# Altium PCB PV Refridgerator v0.1.2.PCBDOC (part 1 of 2) (continued)
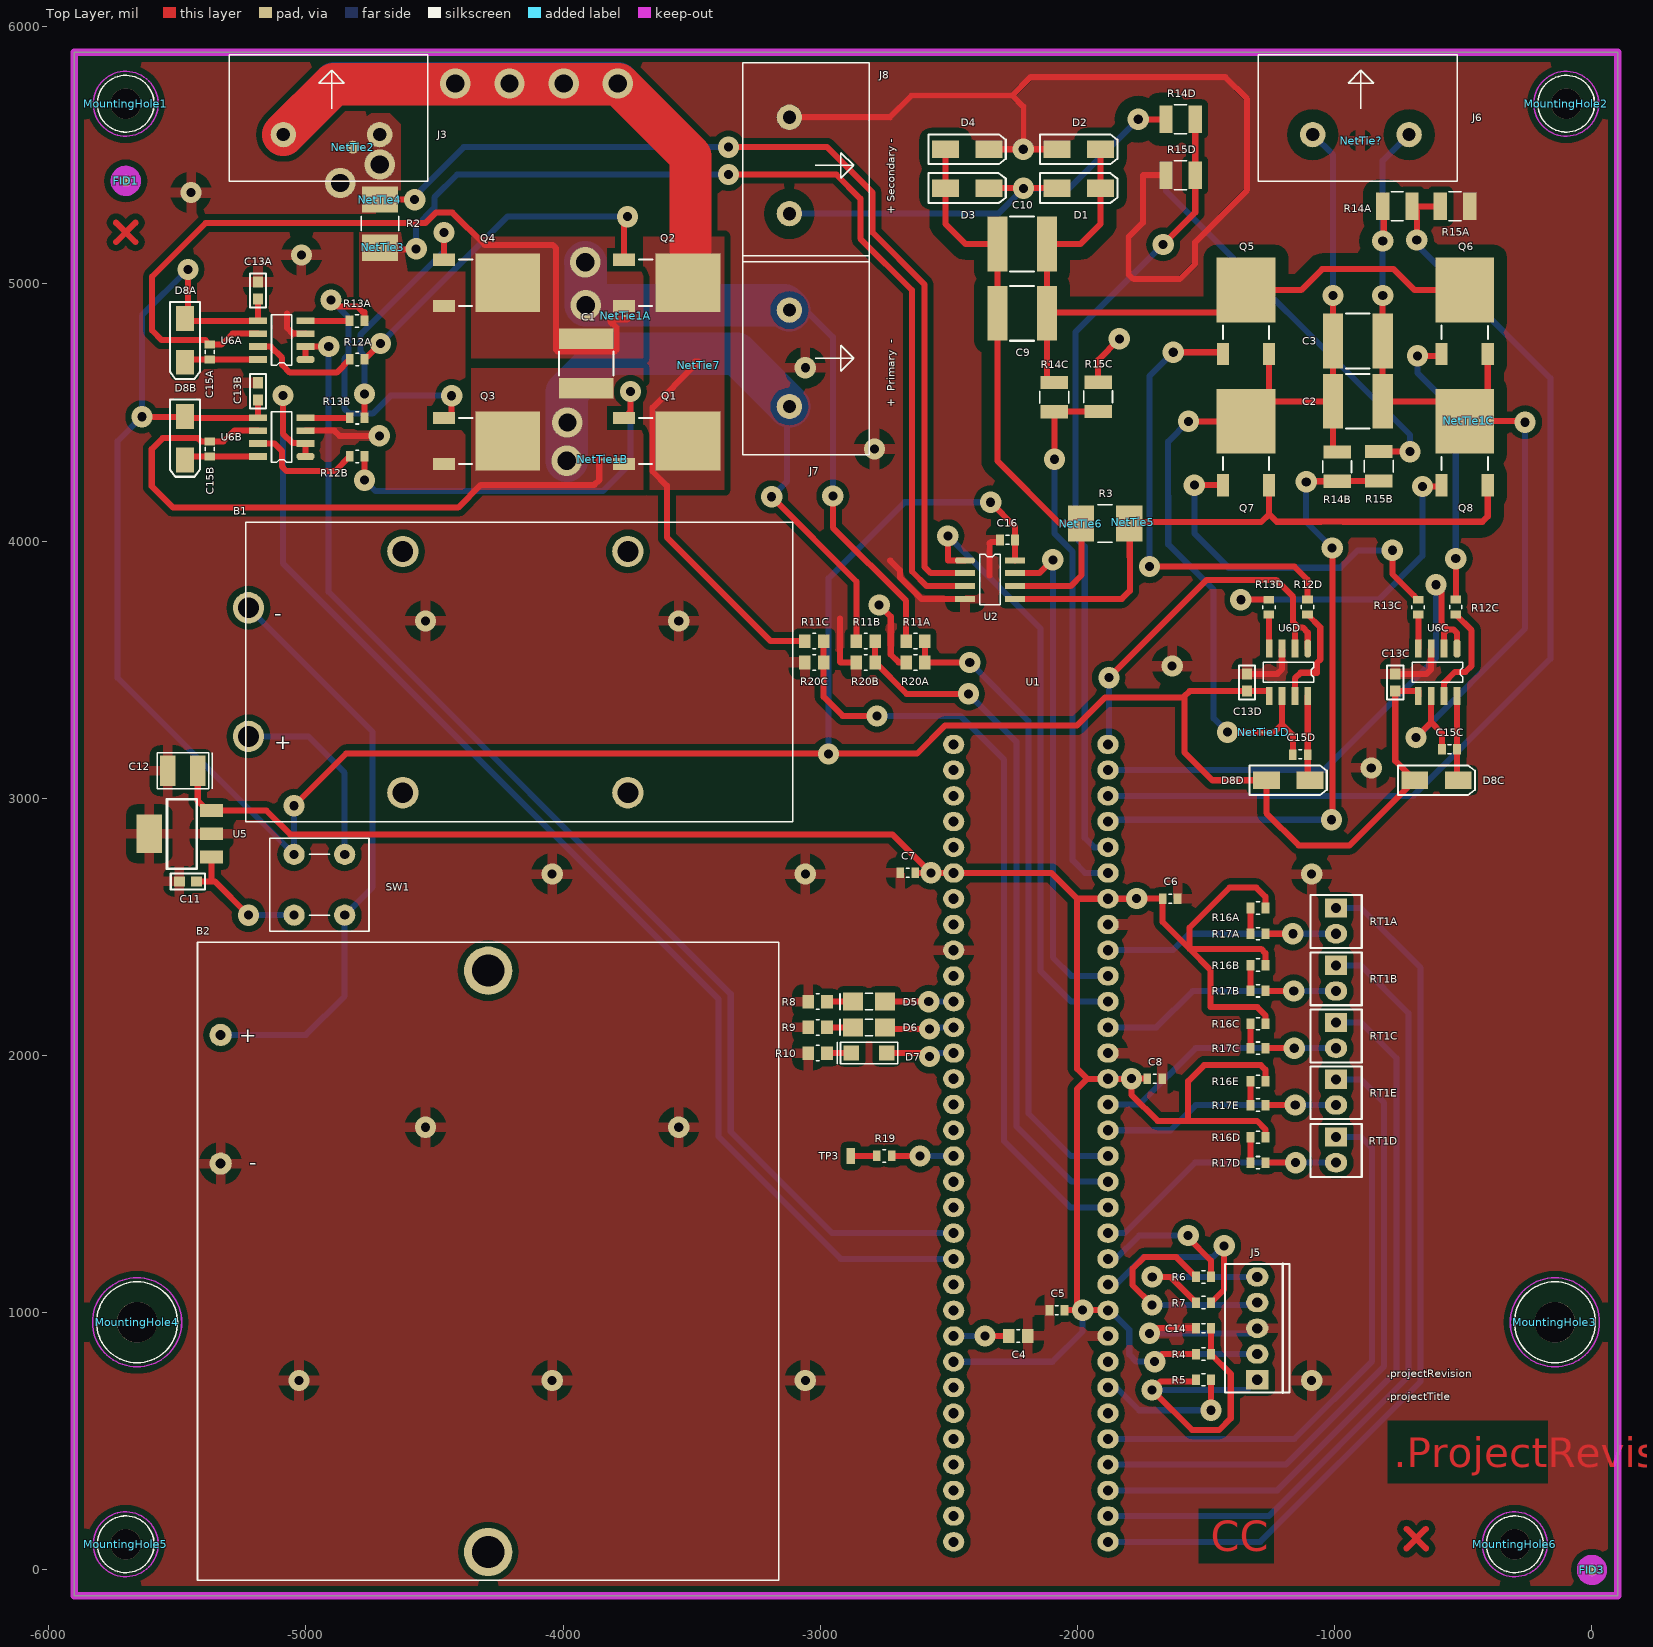
[diagram p0: Top Layer view]
## Components (designator, comment, footprint, x,y, rotation, side; value= is the part's Value field where it differs from the comment)
B1 "Battery Holder - 9V" "9V Battery Holder" -5222.83,3490.55 r0 top locked value="9V Battery Holder"
B2 "Battery Holder - 4xAA" "4XAA BATTERY HOLDER" -4290.97,1200 r180 top
C1 "1uF 2220 450V" "C2220 - CERAMIC" -3910,4690 r90 top
C2 "1uF 2220 450V" "C2220 - CERAMIC" -910,4543 r0 top
C3 "1uF 2220 450V" "C2220 - CERAMIC" -910,4778 r0 top
C4 "10uF 0805 10V" "C0805 - Ceramic" -2230,910 r0 top
C5 "100nF 0603 50V" "C0603 - Ceramic" -2080,1010 r180 top
C6 "100nF 0603 50V" "C0603 - Ceramic" -1640,2610 r0 top
C7 "100nF 0603 50V" "C0603 - Ceramic" -2660,2710 r180 top
C8 "100nF 0603 50V" "C0603 - Ceramic" -1700,1910 r0 top
C9 "1uF 2220 450V" "C2220 - CERAMIC" -2215,4885 r0 top
C10 "1uF 2220 450V" "C2220 - CERAMIC" -2215,5155 r0 top
C11 "100nF 0603 50V" "Capacitor - 0603 Ceramic" -5458.11,2676.85 r180 top value="100 nF 50V 0603 XR7 10%"
C12 "1206" "Capacitor - 1210 Tantalum" -5478.11,3106.85 r180 top value="22 uF 10V 1210 Tantalum"
C13A "1uF 0603 25V" "Capacitor - 0603 Ceramic" -5186,4974 r90 top value="1uF 0603 16V" (schematic designator C13)
C13B "1uF 0603 25V" "Capacitor - 0603 Ceramic" -5186,4582 r90 top value="1uF 0603 16V" (schematic designator C13)
C13C "1uF 0603 25V" "Capacitor - 0603 Ceramic" -764.65,3450 r90 top value="1uF 0603 16V" (schematic designator C13)
C13D "1uF 0603 25V" "Capacitor - 0603 Ceramic" -1341,3450 r90 top value="1uF 0603 16V" (schematic designator C13)
C14 "100nF 0603 50V" "C0603 - Ceramic" -1509.97,939.45 r180 top
C15A "100nF 0603 50V" "C0603 - Ceramic" -5374,4735 r90 top (schematic designator C15)
C15B "100nF 0603 50V" "C0603 - Ceramic" -5374,4358 r90 top (schematic designator C15)
C15C "100nF 0603 50V" "C0603 - Ceramic" -554,3190 r180 top (schematic designator C15)
C15D "100nF 0603 50V" "C0603 - Ceramic" -1134,3170 r180 top (schematic designator C15)
C16 "100nF 0603 50V" "C0603 - Ceramic" -2272,4004 r180 top
D1 "" "SMA - Diode"#1 -1995,5372 r0 top
D2 "" "SMA - Diode"#1 -1995,5523 r0 top
D3 "" "SMA - Diode"#1 -2429,5372 r0 top
D4 "" "SMA - Diode"#1 -2429,5523 r0 top
D5 "Red LED 1206" "LED - 1206 Red" -2810.42,2209.45 r180 top
D6 "Green LED 1206" "LED - 1206 Green" -2810.42,2109.45 r180 top
D7 "Blue LED 1206" "LED - 1206 Blue" -2810.42,2009.45 r180 top
D8A "" "SMA - Diode"#2 -5470,4780 r270 top (schematic designator D8)
D8B "" "SMA - Diode"#2 -5470,4400 r270 top (schematic designator D8)
D8C "" "SMA - Diode"#1 -604.65,3070 r0 top (schematic designator D8)
D8D "" "SMA - Diode"#1 -1181,3070 r0 top (schematic designator D8)
FID1 "Fiducial, Double Sided" "Fiducial - Double sided" -5700,5400 r0 top
FID3 "Fiducial, Double Sided" "Fiducial - Double sided" 0,0 r0 top
J3 "Terminal Block - 2-Position HiV/HiA" "TE 796739-2" -4900,5580 r0 top
J5 "MTA100 - 5-Pin with friction Lock" "Connector - MTA-100 5 Position" -1301.42,939.45 r90 top
J6 "Terminal Block - 2-Position HiV/HiA" "TE 796739-2" -898.18,5580 r0 top
J7 "Terminal Block - 2-Position HiV/HiA" "TE 796739-2" -3120,4710.39 r270 top locked
J8 "Terminal Block - 2-Position HiV/HiA" "TE 796739-2" -3120,5460 r270 top locked
MountingHole1 "M3 Tooling Holes" "M3 Screw - One Sided" -5700,5700 r90 top
MountingHole2 "Mounting Hole" "M3 Screw - One Sided" -100,5700 r90 top
MountingHole3 "Mounting Hole" "M4 Screw - One Sided" -144.09,962.99 r90 top
MountingHole4 "M4 Mounting Hole" "M4 Screw - One Sided" -5655.91,962.99 r90 top
MountingHole5 "Mounting Hole" "M3 Screw - One Sided" -5700,100 r90 top
MountingHole6 "Mounting Hole" "M3 Screw - One Sided" -300,100 r90 top
NetTie1A "Net Tie" "Net tie (7/7 mil)" -3757,4875 r0 top net-tie (schematic designator NetTie1)
NetTie1B "Net Tie" "Net tie (7/7 mil)" -3844.88,4317.32 r180 top net-tie (schematic designator NetTie1)
NetTie1C "Net Tie" "Net tie (7/7 mil)" -479,4467 r0 top net-tie (schematic designator NetTie1)
NetTie1D "Net Tie" "Net tie (7/7 mil)" -1276,3256 r0 top net-tie (schematic designator NetTie1)
NetTie2 "Net Tie" "Net tie (7/50 mil)" -4829.97,5531.15 r180 top net-tie
NetTie3 "Net Tie" "Net tie (7/35 mil)" -4701,5153 r270 top net-tie
NetTie4 "Net Tie" "Net tie (7/7 mil)" -4712,5327.5 r0 top net-tie
NetTie5 "Net Tie" "Net tie (7/35 mil)" -1794.31,4074 r0 top net-tie
NetTie6 "Net Tie" "Net tie (7/7 mil)" -1986.5,4068 r0 top net-tie
NetTie7 "Net Tie" "Net tie (7/7 mil)" -3473,4683 r90 top net-tie
NetTie8 "Net Tie" "Net tie (7/7 mil)" -3129,4461 r270 bottom net-tie
NetTie9 "Net Tie" "Net tie (7/7 mil)" -3056,4894 r0 bottom net-tie
NetTie? "Net Tie" "Net tie (7/7 mil)" -897.34,5556.78 r0 top net-tie
Q1 "N-MOSFET" DPAK -3514.65,4389 r270 top value="N-MOSFET 2.5mR"
Q2 "N-MOSFET" DPAK -3514.65,5004 r270 top value="N-MOSFET 2.5mR"
Q3 "N-MOSFET" DPAK -4214.65,4389 r270 top value="N-MOSFET 2.5mR"
Q4 "N-MOSFET" DPAK -4214.65,5004 r270 top value="N-MOSFET 2.5mR"
Q5 "N-MOSFET 420mR 250V" DPAK -1345,4975.35 r0 top
Q6 "N-MOSFET 420mR 250V" DPAK -495,4975.35 r0 top
Q7 "N-MOSFET 420mR 250V" DPAK -1345,4465.35 r0 top
Q8 "N-MOSFET 420mR 250V" DPAK -495,4465.35 r0 top
R2 "3mR 2512 1%" R2512 -4712,5234 r270 top
R3 "33mR 2512 1%" R2512 -1893,4068 r0 top value="3mR 2512 1%"
R4 "10k 0603 1%" R0603 -1510,839.45 r0 top
R5 "100R 0603 1%" R0603 -1510,739.45 r0 top
R6 "100R 0603 1%" R0603 -1510,1139.45 r0 top
R7 "100R 0603 1%" R0603 -1510,1039.45 r0 top
R8 "255R 0805 1%" R0805 -3010.42,2209.45 r0 top
R9 "255R 0805 1%" R0805 -3010.42,2109.45 r0 top
R10 "255R 0805 1%" R0805 -3010.42,2009.45 r0 top
R11A "Template - Resistor" R0805 -2629.73,3611 r180 top value="1M 0805 1%" (schematic designator R11)
R11B "Template - Resistor" R0805 -2823.26,3611 r180 top value="1M 0805 1%" (schematic designator R11)
R11C "Template - Resistor" R0805 -3023.73,3611 r180 top value="1M 0805 1%" (schematic designator R11)
R12A "Template - Resistor" R0603 -4800.54,4706 r0 top (schematic designator R12)
R12B "Template - Resistor" R0603 -4800.54,4329 r0 top (schematic designator R12)
R12C "Template - Resistor" R0603 -529.65,3743.47 r90 top (schematic designator R12)
R12D "Template - Resistor" R0603 -1106,3743.46 r90 top (schematic designator R12)
R13A "Template - Resistor" R0603 -4801,4856 r0 top (schematic designator R13)
R13B "Template - Resistor" R0603 -4800.54,4479 r0 top (schematic designator R13)
R13C "Template - Resistor" R0603 -676,3743 r90 top (schematic designator R13)
R13D "Template - Resistor" R0603 -1256,3743 r90 top (schematic designator R13)
R14A "Template - Resistor" R1210 -756.94,5301 r180 top value="1M 1206 1%" (schematic designator R14)
R14B "Template - Resistor" R1210 -990.83,4290 r90 top value="1M 1206 1%" (schematic designator R14)
R14C "Template - Resistor" R1210 -2090,4560 r90 top value="1M 1206 1%" (schematic designator R14)
R14D "Template - Resistor" R1210 -1600,5640 r180 top value="1M 1206 1%" (schematic designator R14)
R15A "Template - Resistor" R1210 -533,5301 r180 top value="15k 1206 1%" (schematic designator R15)
R15B "Template - Resistor" R1210 -829.17,4290 r270 top value="15k 1206 1%" (schematic designator R15)
R15C "Template - Resistor" R1210 -1920,4560 r270 top value="15k 1206 1%" (schematic designator R15)
R15D "Template - Resistor" R1210 -1599.04,5422 r0 top value="15k 1206 1%" (schematic designator R15)
R16A "Template - Resistor" R0603 -1298.42,2573.45 r0 top value="7.5k 0603 0.1%" (schematic designator R16)
R16B "Template - Resistor" R0603 -1298.42,2351.45 r0 top value="7.5k 0603 0.1%" (schematic designator R16)
R16C "Template - Resistor" R0603 -1298.42,2123.45 r0 top value="7.5k 0603 0.1%" (schematic designator R16)
R16D "Template - Resistor" R0603 -1298.42,1682.45 r0 top value="7.5k 0603 0.1%" (schematic designator R16)
R16E "Template - Resistor" R0603 -1298.42,1899.45 r0 top value="7.5k 0603 0.1%" (schematic designator R16)
R17A "Template - Resistor" R0603 -1298.42,2473.45 r180 top (schematic designator R17)
R17B "Template - Resistor" R0603 -1298.42,2251.45 r180 top (schematic designator R17)
R17C "Template - Resistor" R0603 -1298.42,2028.45 r180 top (schematic designator R17)
R17D "Template - Resistor" R0603 -1298.42,1583.45 r180 top (schematic designator R17)
R17E "Template - Resistor" R0603 -1298.42,1807.45 r180 top (schematic designator R17)
R19 "100R 0603 1%" R0603 -2751.42,1609.45 r180 top
R20A "Template - Resistor" R0805 -2629.73,3528 r0 top value="49.9k 0603 1%" (schematic designator R20)
R20B "Template - Resistor" R0805 -2823.26,3528 r0 top value="49.9k 0603 1%" (schematic designator R20)
R20C "Template - Resistor" R0805 -3023.73,3528 r0 top value="49.9k 0603 1%" (schematic designator R20)
RT1A "Tº" "CONNECTOR - MTA-100 2 POSITION FRICTION LOCK" -994.92,2523.45 r90 top value="Thermistor 10k" (schematic designator RT1)
RT1B "Tº" "CONNECTOR - MTA-100 2 POSITION FRICTION LOCK" -994.92,2300.45 r90 top value="Thermistor 10k" (schematic designator RT1)
RT1C "Tº" "CONNECTOR - MTA-100 2 POSITION FRICTION LOCK" -994.92,2078.45 r90 top value="Thermistor 10k" (schematic designator RT1)
RT1D "Tº" "CONNECTOR - MTA-100 2 POSITION FRICTION LOCK" -994.92,1633.45 r90 top value="Thermistor 10k" (schematic designator RT1)
RT1E "Tº" "CONNECTOR - MTA-100 2 POSITION FRICTION LOCK" -994.92,1857.45 r90 top value="Thermistor 10k" (schematic designator RT1)
SW1 "DPST Switch" "DPST Switch" -4947.24,2663.78 r90 top
TP3 "Test Clip" "SMT Test Clip" -2881.42,1609.45 r90 top value="SMT Test Clip"
Transformer1 "Transformer" TRANSFORMER -3100,7320 r90 top
U1 "PIC24FJ256GA106 Microprocessor" "TQFP-64 0.5MM BREAKOUT BOARD" -1881.42,3209.45 r180 top locked
U2 "Dual High Side Current Sense Amplifier" "SOIC-8 (3.9MM)" -2340,3850 r270 top
U5 "3.3V Linear Voltage Regulator LDO" SOT223 -5489.61,2861.85 r90 top
U6A "H-Bridge Driver" SOIC-8 -5094,4781 r90 top (schematic designator U6)
U6B "H-Bridge Driver" SOIC-8 -5094,4404 r90 top (schematic designator U6)
U6C "H-Bridge Driver" SOIC-8 -600,3490 r180 top (schematic designator U6)
U6D "H-Bridge Driver" SOIC-8 -1180,3490 r180 top (schematic designator U6)

## Footprints (in the part's own frame and the unit in brackets; to place one, negate y for a bottom-side part, rotate by r counter-clockwise, add the part's x,y. Pads: shape width x height; smd on the part's side, far side on the other; paste and mask are expansions set on the pad)
"4XAA BATTERY HOLDER" [mm]
  round 4.77 hole 3.18: 0(0,28.7) 0(0,-28.7)
  round 2.2 hole 1: 1(26.42,-22.35) 2(26.42,-9.65)
  silkscreen extent -28.7,-31.5 28.7,31.5, body extent -29.03,-31.5 28.97,31.5, height 16.9
"9V Battery Holder" [mil]
  round 122 hole 81: 0(600,-469) 0(600,469) 0(1475,-469) 0(1475,469) 1(0,-250) 2(0,250)
  silkscreen extent -10,-582 2116,582, body extent -11,-579 2117,587, height 805
"C0603 - Ceramic" [mil] "Improved footprint"
  rect 30x41 smd: 1(-29,0) 2(29,0)
  silkscreen extent -6,-18 6,17, body extent -31,-15 32,16, height 12
"C0805 - Ceramic" [mil]
  rect 45x55 smd: 1(-36.5,0) 2(36.5,0)
  silkscreen extent -6,-24 6,24, body extent -39,-25 39,25, height 31
"C2220 - CERAMIC" [mm] "Chip Capacitor, 2-Leads, Body 5.75x5.00mm, IPC Medium Density"
  rect 2x5.4 smd: 1(-2.45,0) 2(2.45,0)
  silkscreen extent -1.19,-2.7 1.17,2.7, body extent -2.85,-2.5 2.85,2.5, height 2.3
"Capacitor - 0603 Ceramic" [mm] "IPC-SM-782 Compliant - Rev B 2016-06-09"
  rrect0% 1.1x1 smd: 1(-0.85,0) 2(0.85,0)
  silkscreen extent -1.7,-0.8 1.7,0.8, body extent -0.8,-0.4 0.8,0.4, height 0.3
"Capacitor - 1210 Tantalum" [mm] "Chip Capacitor, 2-Leads, Body 3.50x2.80mm, IPC Medium Density"
  rrect0% 1.55x3 smd: 1(-1.475,0) 2(1.475,0)
  silkscreen extent -2.92,-1.78 2.54,1.78, body extent -1.85,-1.46 1.85,1.47, height 2.03
"CONNECTOR - MTA-100 2 POSITION FRICTION LOCK" [mm]
  rect 1.9x2.2 hole 1 mask+0.127: 1(1.27,0)
  oval 1.9x2.2 hole 1 mask+0.127: 2(-1.27,0)
  silkscreen extent -2.67,-2.54 2.54,2.54, body extent -2.54,-2.67 2.54,3.18, height 10.05
"Connector - MTA-100 5 Position" [mm] "Verticle"
  rect 1.9x2.2 hole 1: 1(-5.08,0)
  oval 1.9x2.2 hole 1: 2(-2.54,0) 3(0,0) 4(2.54,0) 5(5.08,0)
  silkscreen extent -6.35,-3.18 6.35,3.18, body extent -6.38,-3.18 6.32,2.67, height 10.03
DPAK [mm]
  rect 1.2x2.2 smd: 1(-2.28,-6.3) 3(2.28,-6.3)
  rect 5.8x6.4 smd: 2(0,0)
  silkscreen extent -2.29,-4.83 2.29,-3.51, body extent -3.32,-7.06 3.26,2.64, height 2.3
"DPST Switch" [mm]
  round 2.1 hole 0.9: 1(-3,2.5) 2(-3,-2.5) 3(3,2.5) 4(3,-2.5)
  silkscreen extent -4.6,-4.9 4.6,4.9
"Fiducial - Double sided" [mm] "Double sided"
  round 1.25 smd paste-1.524 mask+1: 0(0,0)
  round 1.25 smd far side paste-1.524 mask+1: 0(0,0)
  Keep-Out Layer circle w1: c0,0 r1
"LED - 1206 Blue" [mm]
  rect 1.5x1.5 smd: 1(-1.75,0) 2(1.75,0)
  silkscreen extent -2.82,-1.07 3.12,1.07, body extent -1.58,-0.8 1.64,0.8, height 1.1
"LED - 1206 Green" [mil]
  rect 78x70 smd: 1(-62.5,0) 2(62.5,0)
  silkscreen extent -14,-32 113,32, body extent -63,-31 63,31, height 43
"LED - 1206 Red" [mil]
  rect 78x70 smd: 1(-62.5,0) 2(62.5,0)
  silkscreen extent -14,-32 113,32, body extent -63,-31 63,32, height 43
"M3 Screw - One Sided" [mm] "Back side is safe (No metal post/nuts)"
  round 3 hole 3 unplated: ""(0,0)
  Top Layer keep-out circle w0.152: c0,0 r3.2
  Bottom Layer keep-out circle w0.152: c0,0 r1.9
  silkscreen extent -2.8,-2.8 2.8,2.8
"M4 Screw - One Sided" [mm] "Back side is safe (No metal post/nuts)"
  round 4 hole 4 unplated: ""(0,0)
  Top Layer keep-out circle w0.152: c0,0 r4.4
  Bottom Layer keep-out circle w0.152: c0,0 r2.4
  silkscreen extent -4,-4 4,4
"Net tie (7/7 mil)" [mil] "Connects 2 nets together, 7 mil trace"
  oval 14x7 smd paste-20 mask-20: 1(3.5,0) 2(-3.5,0)
"Net tie (7/35 mil)" [mil] "Connects 2 nets together, 35 to 7 mil trace"
  oval 14x7 smd paste-20 mask-20: 1(20,0)
  round 35 smd paste-200 mask-200: 2(0,0)
"Net tie (7/50 mil)" [mil] "Connects 2 nets together, 50 to 7 mil trace"
  oval 14x7 smd paste-20 mask-20: 1(-10,0)
  round 50 smd paste-200 mask-200: 2(-13,0)
R0603 [mil] "Improved footprint"
  rect 30x41 smd: 1(-28.97,0) 2(28.97,0)
  silkscreen extent -6,-24 6,24, body extent -32,-16 31,15, height 12
R0805 [mil] "SMT"
  rect 45x53 smd: 1(-36.47,0) 2(36.47,0)
  silkscreen extent -6,-30 6,30, body extent -39,-25 39,25, height 31
R1210 [mm]
  rect 1.3x2.7 smd: 1(-1.462,0) 2(1.438,0)
  silkscreen extent -0.61,-1.42 0.58,1.42, body extent -2,-1.24 2,1.24, height 1.7
R2512 [mm]
  rect 2.6x3.55 smd: 1(-2.375,0) 2(2.375,0)
  silkscreen extent -0.71,-1.85 0.69,1.85, body extent -3.2,-1.6 3.2,1.6, height 0.61
"SMA - Diode"#1 [mm]
  rect 2.65x1.75 smd: 1(-2.15,0) 2(2.15,0)
  silkscreen extent -3.81,-1.48 3.81,1.48, body extent -2.74,-1.4 2.74,1.4, height 2.29
"SMA - Diode"#2 [mm]
  rect 2.45x1.75 smd: 1(-2.15,0) 2(2.15,0)
  silkscreen extent -3.81,-1.48 3.81,1.48, body extent -2.74,-1.4 2.74,1.4, height 2.29
"SMT Test Clip" [mm]
  rect 1.6x0.8 smd: 1(0,0)
SOIC-8 [mm] "Copper Only"
  oct 0.67x1.78 smd: 1(-1.905,-2.34)
  rect 0.67x1.78 smd: 2(-0.635,-2.34) 3(0.635,-2.34) 4(1.905,-2.34) 5(1.905,2.34) 6(0.635,2.34) 7(-0.635,2.34) 8(-1.905,2.34)
  silkscreen extent -2.5,-1 2.5,1, body extent -2.5,-3 2.5,3, height 1.61
"SOIC-8 (3.9MM)" [mm]
  oct 0.6x1.98 smd: 1(-1.905,-2.465)
  rect 0.6x1.98 smd: 2(-0.635,-2.465) 3(0.635,-2.465) 4(1.905,-2.465) 5(1.905,2.465) 6(0.635,2.465) 7(-0.635,2.465) 8(-1.905,2.465)
  silkscreen extent -2.5,-1 2.5,1, body extent -2.5,-3 2.5,3, height 1.61
SOT223 [mil] "Tab connected to center pin"
  rect 50x90 smd: 1(-90,-123.5) 2(0,-123.5) 3(90,-123.5)
  rect 150x100 smd: 2(0,118.5)
  silkscreen extent -135,-65 135,50, body extent -126,-149 130,127, height 67
"TE 796739-2" [mm]
  round 2.5 hole 1.3: 1(-4.76,0) 2(4.76,0)
  silkscreen extent -10.12,-4.6 9.52,7.9, body extent -10.12,-4.6 9.52,7.9, height 21.51
"TQFP-64 0.5MM BREAKOUT BOARD" [mm]
  oval 2.1x1.9 hole 1: 1(0,78.74) 2(0,76.2) 3(0,73.66) 4(0,71.12) 5(0,68.58) 6(0,66.04) 7(0,63.5) 8(0,60.96) 9(0,58.42) 10(0,55.88) 11(0,53.34) 12(0,50.8) 13(0,48.26) 14(0,45.72) 15(0,43.18) 16(0,40.64) 17(0,38.1) 18(0,35.56) 19(0,33.02) 20(0,30.48) 21(0,27.94) 22(0,25.4) 23(0,22.86) 24(0,20.32) 25(0,17.78) 26(0,15.24) 27(0,12.7) 28(0,10.16) 29(0,7.62) 30(0,5.08) 31(0,2.54) 32(0,0) 33(15.24,0) 34(15.24,2.54) 35(15.24,5.08) 36(15.24,7.62) 37(15.24,10.16) 38(15.24,12.7) 39(15.24,15.24) 40(15.24,17.78) 41(15.24,20.32) 42(15.24,22.86) 43(15.24,25.4) 44(15.24,27.94) 45(15.24,30.48) 46(15.24,33.02) 47(15.24,35.56) 48(15.24,38.1) 49(15.24,40.64) 50(15.24,43.18) 51(15.24,45.72) 52(15.24,48.26) 53(15.24,50.8) 54(15.24,53.34) 55(15.24,55.88) 56(15.24,58.42) 57(15.24,60.96) 58(15.24,63.5) 59(15.24,66.04) 60(15.24,68.58) 61(15.24,71.12) 62(15.24,73.66) 63(15.24,76.2) 64(15.24,78.74)
  body extent -5.08,-5.08 20.32,83.82, height 10
TRANSFORMER [mil]
  body extent -1406,-1719 1406,1662, height 3375

## Part data
B1: Manufacturer="MPD (Memory Protection Devices)", Manufacturer Part Number=BH9VPC, Operating Temperature=-, Supplier Part Number 1=BH9V-PC-ND, Battery Cell Size=9V, Battery Series=-, Battery Type, Function="9V, Holder", Category="Battery Products", ComponentLink1Description="Spec Sheet", ComponentLink1URL=http://www.memoryprotectiondevices.com/datasheets/BH9VPC-datasheet.pdf, Height Above Board="0.812\" (20.62mm)", Mounting Type="PCB, Through Hole", Number of Cells=1, Part Status=Active, Pricing 1="1=1.6, 10=1.47, 100=1.3362, 500=1.1322, 1000=0.95881 (USD)", RoHS="RoHS Compliant", Stock 1=7369, Style="Holder (Open)", Supplier 1=Digi-Key, Termination Style="PC Pin"
B2: Manufacturer="Keystone Electronics", Manufacturer Part Number=2477, Operating Temperature=-, Supplier Part Number 1=36-2477-ND, Voltage=6V, Battery Cell Size=AA, Battery Series=-, Battery Type, Function="Cylindrical, Holder", Category="Battery Products", ComponentLink1Description="Spec Sheet", ComponentLink1URL=http://www.keyelco.com/product-pdf.cfm?p=1039, Height Above Board="0.630\" (16.00mm)", Mounting Type="PCB, Through Hole", Number of Cells=4, Part Status=Active, Pricing 1="1=2.23, 10=1.365, 50=1.2254, 100=1.1697, 250=1.05832, 500=0.97476, 1000=0.93598, 2500=0.8355, 5000=0.78648 (USD)", RoHS="RoHS Compliant", Stock 1=2426, Style="Holder (Open)", Supplier 1=Digi-Key, Termination Style="PC Pin"
C1 C2 C3 C9 C10: Capacitance=1µF, Manufacturer="TDK Corporation", Manufacturer Part Number=CGA9P4X7T2W105M250KE, Operating Temperature="-55°C ~ 125°C", Package / Case=2220, Ratings=AEC-Q200, Supplier Part Number 1=445-7998-1-ND, Temperature Coefficient=X7T, Tolerance=±20%, Voltage - Rated=450V, Applications="Automotive, Boardflex Sensitive", Category=Capacitors, ComponentLink1Description="Spec Sheet", ComponentLink1URL=https://product.tdk.com/info/en/catalog/datasheets/mlcc_automotive_soft_en.pdf, Failure Rate=-, Features="Soft Termination", Height - Seated (Max)=-, Lead Spacing=-, Lead Style=-, Mounting Type="Surface Mount, MLCC", Packaging="Cut Tape (CT)", Part Status=Active, Pricing 1="1=3.11, 10=2.576, 100=2.1589, 250=1.78012 (USD)", RoHS="RoHS Compliant", Size / Dimension="0.224\" L x 0.197\" W (5.70mm x 5.00mm)", Stock 1=10247, Supplier 1=Digi-Key, Thickness (Max)="0.098\" (2.50mm)"
C4: Capacitance=10µF, Manufacturer=Kemet, Manufacturer Part Number=C0805C106K8PACTU, Operating Temperature="-55°C ~ 85°C", Package / Case="0805 (2012 Metric)", Ratings=-, Supplier Part Number 1=399-4925-1-ND, Temperature Coefficient=X5R, Tolerance=±10%, Voltage - Rated=10V, Applications="General Purpose", Category=Capacitors, ComponentLink1Description="Spec Sheet", ComponentLink1URL=http://www.kemet.com/docfinder?Partnumber=C0805C106K8PACTU, Features=-, Height - Seated (Max)=-, Lead Spacing=-, Lead Style=-, Mounting Type="Surface Mount, MLCC", Packaging="Cut Tape (CT)", Pricing 1="1=0.21, 10=0.14, 50=0.085, 100=0.0714, 250=0.0578, 500=0.051, 1000=0.04335 (USD)", RoHS="RoHS Compliant", Size / Dimension="0.079\" L x 0.049\" W (2.00mm x 1.25mm)", Stock 1=215894, Supplier 1=Digi-Key, Thickness (Max)="0.055\" (1.40mm)"
C5 C6 C7 C8 C14 C15A C15B C15C C15D C16: Capacitance=100nF, Manufacturer="Samsung Electro-Mechanics America, Inc", Manufacturer Part Number=CL10B104KB8SFNC, Operating Temperature="-55°C ~ 125°C", Package / Case="0603 (1608 Metric)", Ratings=-, Supplier Part Number 1=1276-1936-1-ND, Temperature Coefficient=X7R, Tolerance=±10%, Voltage - Rated=50V, Applications="Boardflex Sensitive", Category=Capacitors, ComponentLink1URL=http://www.samsungsem.com/kr/front/downloadcms.do?path=/kr/support/product-search/mlcc/__icsFiles/afieldfile/2014/11/05&fileName=S_CL10B104KB8SFNC.pdf, Features="Soft Termination", Height - Seated (Max)=-, Lead Spacing=-, Lead Style=-, Mounting Type="Surface Mount, MLCC", Packaging="Cut Tape (CT)", Pricing 1="1=0.1, 10=0.027, 25=0.0192, 100=0.0125, 500=0.00874, 1000=0.00681 (USD)", RoHS="RoHS Compliant", Size / Dimension="0.063\" L x 0.031\" W (1.60mm x 0.80mm)", Stock 1=1192070, Supplier 1=Digi-Key, Thickness (Max)="0.035\" (0.90mm)"
  C5 C6 C7 C8: ComponentLink1Description="Spec Sheet"
  C14 C15A C15B C15C C15D C16: ComponentLink1Description=http://www.samsungsem.com/kr/front/downloadcms.do?path=/kr/support/product-search/mlcc/__icsFiles/afieldfile/2014/11/05&fileName=S_CL10B104KB8SFNC.pdf
C11: "Non-polarized", Capacitance=100nF, Manufacturer="Murata Electronics North America", Manufacturer Part Number=GRM188R71H104KA93D, Operating Temperature="-55°C ~ 125°C", Package / Case="0603 (1608 Metric)", Ratings=-, Supplier Part Number 1=490-1519-1-ND, Temperature Coefficient=X7R, Tolerance=±10%, Voltage - Rated=50V, Applications="General Purpose", Category=Capacitors, ComponentLink1Description="Spec Sheet", ComponentLink1URL=http://www.murata.com/products/catalog/pdf/c02e.pdf, Features=-, Height - Seated (Max)=-, Lead Spacing=-, Lead Style=-, Mounting Type="Surface Mount, MLCC", Packaging="Cut Tape (CT)", Pricing 1="1=0.12, 10=0.048, 50=0.0256, 100=0.0218, 250=0.01776, 500=0.0152, 1000=0.01185 (CAD)", RoHS="RoHS Compliant", Size / Dimension="0.063\" L x 0.031\" W (1.60mm x 0.80mm)", Stock 1=4132110, Supplier 1=Digi-Key, Technology=SMT, Thickness (Max)="0.035\" (0.90mm)"
C12: library part "22uF 1210 10V - Tantalum", "Polarized", Capacitance=22µF, ESR (Equivalent Series Resistance)="2.4 Ohm", Lifetime @ Temp.=-, Manufacturer="AVX Corporation", Manufacturer Part Number=TAJB226K010RNJ, Manufacturer Size Code=B, Operating Temperature="-55°C ~ 125°C", Package / Case="1210 (3528 Metric)", Supplier Part Number 1=478-3039-1-ND, Tolerance=±10%, Voltage - Rated=10V, Category=Capacitors, ComponentLink1Description="Spec Sheet", ComponentLink1URL=http://www.avx.com/docs/Catalogs/taj.pdf, Features="General Purpose", Height - Seated (Max)="0.083\" (2.10mm)", Lead Spacing=-, Mounting Type="Surface Mount", Packaging="Cut Tape (CT)", Pricing 1="1=0.92, 10=0.882, 100=0.428, 250=0.35556, 500=0.32264, 1000=0.29629 (CAD)", RoHS="RoHS Compliant", Size / Dimension="0.138\" L x 0.110\" W (3.50mm x 2.80mm)", Stock 1=9403, Supplier 1=Digi-Key, Technology=SMT, Type=Molded
C13A C13B C13C C13D: "Non-polarized", Capacitance=1µF, Manufacturer="Murata Electronics North America", Manufacturer Part Number=GRM188R61E105KA12D, Operating Temperature="-55°C ~ 85°C", Package / Case="0603 (1608 Metric)", Ratings=-, Supplier Part Number 1=490-3897-1-ND, Temperature Coefficient=X5R, Tolerance=±10%, Voltage - Rated=25V, Applications="General Purpose", Category=Capacitors, ComponentLink1Description="Spec Sheet", ComponentLink1URL=http://www.murata.com/~/media/webrenewal/support/library/catalog/products/capacitor/mlcc/c02e.ashx, Features=-, Height - Seated (Max)=-, Lead Spacing=-, Lead Style=-, Mounting Type="Surface Mount, MLCC", Packaging="Cut Tape (CT)", Pricing 1="1=0.14, 10=0.059, 50=0.0322, 100=0.0273, 250=0.02232, 500=0.01908, 1000=0.01488 (CAD)", RoHS="RoHS Compliant", Size / Dimension="0.063\" L x 0.031\" W (1.60mm x 0.80mm)", Stock 1=1582906, Supplier 1=Digi-Key, Technology=SMT, Thickness (Max)="0.035\" (0.90mm)"
D1 D2 D3 D4 D8A D8B D8C D8D: library part "Diode - Signal 1A", "Signal Diode", Capacitance @ Vr, F="15pF @ 4V, 1MHz", Current - Average Rectified (Io)=1A, Current - Reverse Leakage @ Vr="10µA @ 400V", Manufacturer="Vishay Semiconductor Diodes Division", Manufacturer Part Number=US1G-E3/5AT, Operating Temperature - Junction="-55°C ~ 150°C", Package / Case="DO-214AC, SMA", Supplier Device Package="DO-214AC (SMA)", Supplier Part Number 1=US1G-E3/5ATGICT-ND, Voltage - DC Reverse (Vr) (Max)=400V, Voltage - Forward (Vf) (Max) @ If="1V @ 1A", Category="Discrete Semiconductor Products", ComponentLink1Description="Spec Sheet", ComponentLink1URL=http://www.vishay.com/docs/88768/us1.pdf, Diode Type=Standard, Mounting Type="Surface Mount", Packaging="Cut Tape (CT)", Part Status=Active, Pricing 1="1=0.41, 10=0.312, 25=0.2816, 100=0.1945, 250=0.1638, 500=0.1331, 1000=0.10238, 2500=0.09214 (USD)", Reverse Recovery Time (trr)=50ns, RoHS="RoHS Compliant", Speed="Fast Recovery =< 500ns, > 200mA (Io)", Stock 1=29002, Supplier 1=Digi-Key
D5: Color=Red, Current - Test=20mA, Luminous Flux @ Current - Test=-, Manufacturer=Kingbright, Manufacturer Part Number=APT3216SRCPRV, Millicandela Rating=80mcd, Package / Case="1206 (3216 Metric)", Supplier Part Number 1=754-1142-1-ND, Voltage - Forward (Vf) (Typ)=1.85V, Category=Optoelectronics, ComponentLink1Description="Spec Sheet", ComponentLink1URL=http://www.kingbrightusa.com/images/catalog/SPEC/APT3216SRCPRV.pdf, Height=0.75mm, Lens Style/Size="Rectangle with Flat Top, 2mm x 1.6mm", Lens Type=Clear, Mounting Type="Surface Mount", Packaging="Cut Tape (CT)", Pricing 1="1=0.2, 10=0.149, 25=0.1188, 100=0.1073, 250=0.099, 500=0.0891 (USD)", RoHS="RoHS Compliant", Size / Dimension="3.20mm L x 1.60mm W", Stock 1=29504, Supplier 1=Digi-Key, Viewing Angle=120°, Wavelength - Dominant=640nm, Wavelength - Peak=660nm
D6: Color=Green, Current - Test=20mA, Luminous Flux @ Current - Test=-, Manufacturer=Kingbright, Manufacturer Part Number=APL3015SGC-F01, Millicandela Rating=20mcd, Package / Case="2-SMD, No Lead", Supplier Part Number 1=754-1111-1-ND, Voltage - Forward (Vf) (Typ)=2.2V, Category=Optoelectronics, ComponentLink1Description="Spec Sheet", ComponentLink1URL=http://www.kingbrightusa.com/images/catalog/SPEC/APL3015SGC-F01.pdf, Height=1.40mm, Lens Style/Size="Rectangle with Flat Top, 2mm x 1.6mm", Lens Type=Clear, Mounting Type="Surface Mount", Packaging="Cut Tape (CT)", Pricing 1="1=0.21, 10=0.156, 25=0.1248, 100=0.1127, 250=0.104, 500=0.09362 (CAD)", RoHS="RoHS Compliant", Size / Dimension="3.00mm L x 1.50mm W", Stock 1=31522, Supplier 1=Digi-Key, Viewing Angle=70°, Wavelength - Dominant=568nm, Wavelength - Peak=565nm
D7: "Single Colour", Color=Blue, Current - Test=20mA, Lens Color=Colorless, Manufacturer="Lite-On Inc", Manufacturer Part Number=LTST-C150TBKT, Millicandela Rating=104mcd, Package / Case="1206 (3216 Metric)", Supplier Device Package=1206, Supplier Part Number 1=160-1643-1-ND, Voltage - Forward (Vf) (Typ)=3.3V, Category=Optoelectronics, ComponentLink1Description="Spec Sheet", ComponentLink1URL=http://optoelectronics.liteon.com/upload/download/DS22-2000-026/S_110_LTST-C150TBKT(0630).pdf, Height (Max)=1.10mm, Lens Style/Size="Rectangle with Flat Top, 2.06mm x 1.60mm", Lens Transparency=Clear, Mounting Type="Surface Mount", Packaging="Cut Tape (CT)", Pricing 1="1=0.65, 10=0.485, 100=0.2567, 250=0.1816, 500=0.15498, 1000=0.12108 (CAD)", RoHS="RoHS Compliant", Size / Dimension="3.20mm L x 1.60mm W", Stock 1=185598, Supplier 1=Digi-Key, Viewing Angle=130°, Wavelength - Dominant=470nm, Wavelength - Peak=468nm
J3 J6 J7 J8: Color=Green, Current=30A, Manufacturer="TE Connectivity AMP Connectors", Manufacturer Part Number=796739-2, Operating Temperature=-, Supplier Part Number 1=A98273-ND, Voltage=600V, Category="Connectors, Interconnects", Clamp Material - Plating="Brass - Nickel Plated", ComponentLink1Description="Spec Sheet", ComponentLink1URL=http://www.te.com/commerce/DocumentDelivery/DDEController?Action=srchrtrv&DocNm=796739&DocType=Customer+Drawing&DocLang=English, Contact Material - Plating=-, Features="Interlocking (Side)", Housing Material="Polyamide (PA66), Nylon 6/6", Mating Orientation="Horizontal with Board", Mounting Type="Through Hole", Number of Levels=1, Packaging=Tray, Part Status=Active, Pitch="0.375\" (9.53mm)", Positions Per Level=2, Pricing 1="1=2.21, 10=1.673, 25=1.5504, 50=1.394, 100=1.36, 250=1.19, 500=1.088, 1000=0.986, 2500=0.884 (USD)", RoHS="RoHS Compliant", Screw Material - Plating="Brass - Nickel Plated", Screw Thread=M3, Stock 1=14124, Supplier 1=Digi-Key, Torque - Screw="0.79 Nm (7.0 Lb-In)", Wire Gauge="10-30 AWG", Wire Termination="Screw - Rising Cage Clamp"
J5: "Flash Programmer", Color=Natural, Manufacturer="TE Connectivity", Manufacturer Part Number=640456-5, Supplier Part Number 1=A19471-ND, Category="Connectors, Interconnects", ComponentLink1Description="Spec Sheet", ComponentLink1URL=http://www.te.com/commerce/DocumentDelivery/DDEController?Action=srchrtrv&DocNm=640456&DocType=Customer+Drawing&DocLang=English, Connector Type="Header, Unshrouded", Contact Finish=Tin, Contact Finish Thickness=-, Contact Mating Length="0.295\" (7.49mm)", Contact Type="Male Pin", Fastening Type="Friction Lock", Features=-, Mounting Type="Through Hole", Number of Positions=5, Number of Positions Loaded=All, Number of Rows=1, Packaging=Bulk, Pitch="0.100\" (2.54mm)", Pricing 1="1=0.34, 10=0.314, 50=0.2286, 100=0.2197, 250=0.1972, 500=0.18824, 1000=0.15687, 2500=0.14343, 5000=0.13446 (CAD)", RoHS="RoHS Compliant", Row Spacing=-, Stock 1=38829, Supplier 1=Digi-Key, Technology=THT, Termination=Solder
MountingHole1 MountingHole4: library part "Mounting Hole"
NetTie1A NetTie1B NetTie1C NetTie1D NetTie2 NetTie3 NetTie4 NetTie5 NetTie6 NetTie7 NetTie8 NetTie9 NetTie?: "Ties two nets together"
Q1 Q2 Q3 Q4: library part "N-MOSFET 2.5mR 60V", Current - Continuous Drain (Id) @ 25°C=90A, Drain to Source Voltage (Vdss)=60V, Drive Voltage (Max Rds On,  Min Rds On)="6V, 10V", Input Capacitance (Ciss) (Max) @ Vds="5200pF @ 30V", Manufacturer="Infineon Technologies", Manufacturer Part Number=IPD025N06N, Operating Temperature="-55°C ~ 175°C (TJ)", Package / Case="TO-252-3, DPak (2 Leads + Tab), SC-63", Power Dissipation (Max)="3W (Ta), 167W (Tc)", Supplier Device Package=PG-TO252-3, Supplier Part Number 1=IPD025N06NCT-ND, Category="Discrete Semiconductor Products", ComponentLink1Description="Spec Sheet", ComponentLink1URL=http://www.infineon.com/dgdl/IPD025N06N_Rev2+1.pdf?folderId=db3a304313b8b5a60113cee8763b02d7&fileId=db3a304336415dec0136531648062c76, FET Feature=-, FET Type=N-Channel, Gate Charge (Qg) (Max) @ Vgs="71nC @ 10V", Mounting Type="Surface Mount", Packaging="Cut Tape (CT)", Part Status=Active, Pricing 1="1=1.91, 10=1.72, 100=1.3822, 500=1.13558, 1000=0.94091 (USD)", Rds On (Max) @ Id, Vgs="2.5 mOhm", RoHS="RoHS Compliant", Stock 1=5405, Supplier 1=Digi-Key, Technology="MOSFET (Metal Oxide)", Vgs (Max)=±20V, Vgs(th) (Max) @ Id="2.8V @ 95µA"